# Allegro board GPS_INTERFACE_BOARD_v24_test_SFP_.brd (continued)
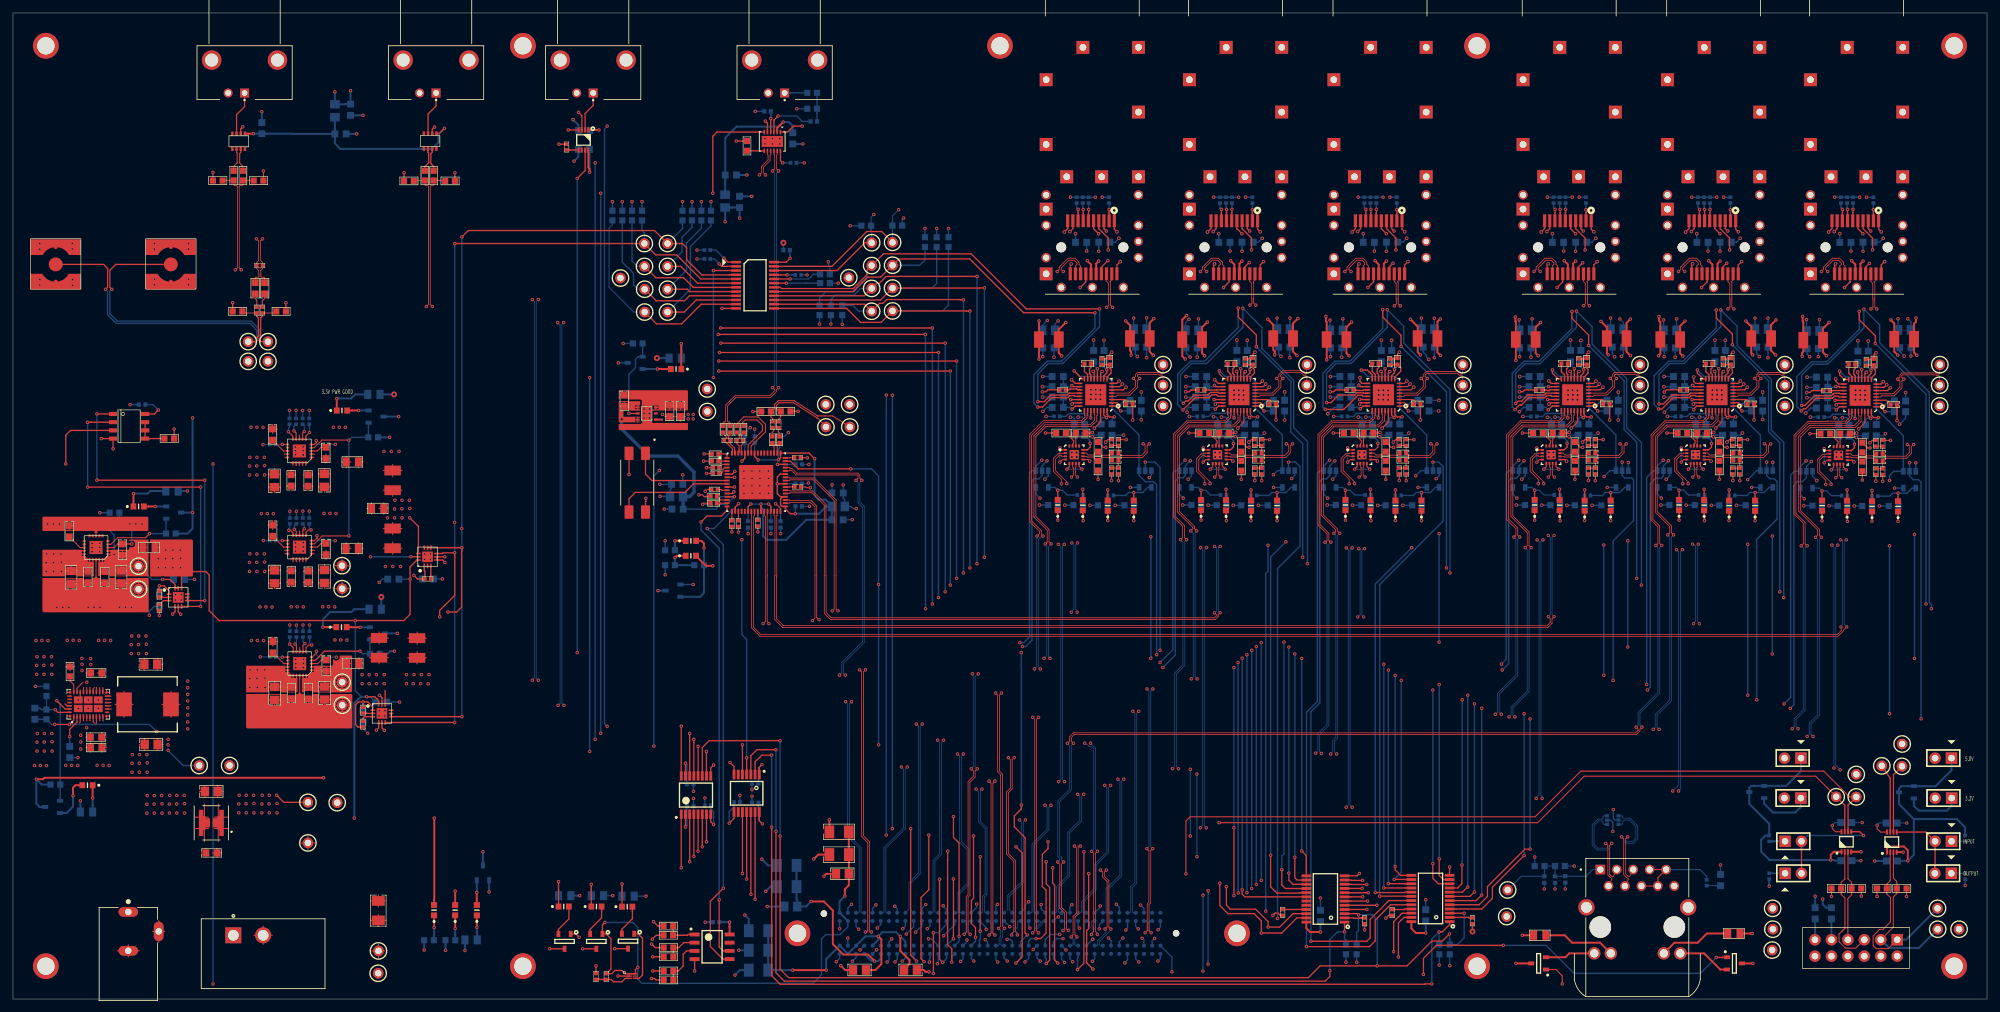
[diagram p0: board, top side]
## Routing (per net, layer and track width the routed paths; a pad name or vN(x,y) marks a point on that pad's centre or on a via; arc(x,y) is an arc through that point) (continued)
FMC.RECOV_CLK_N0: length 203.1
  TOP w0.127: v1(276.11,70.05) 276.43,70.37 276.43,73.54 275.01,74.97 275.01,87.14 277.14,89.27 280.19,89.27 280.23,89.31 283,89.31 283.53,89.84 283.53,90.07 283.44,90.16 U23.25 ; v1(166.54,22.83) 166.85,22.52 166.85,10.45 166.53,10.12 v1(166.53,9.98)
  L5 w0.127: v1(165.47,39.55) 165.79,39.86 165.79,40.19 166.12,40.51 167.92,40.51 168.4,40.03 274.35,40.03 275.01,40.69 275.01,41.49 v1(274.72,41.78)
  BOTTOM w0.127: v1(166.54,22.83) 166.85,23.15 166.85,38.68 166.48,39.06 166.18,39.06 165.89,39.35 165.67,39.35 v1(165.47,39.55) ; v1(166.53,9.98) 166.53,10.12 166.85,10.45 166.85,10.63 166.23,11.25 166.23,11.94 166.1,12.06 J8.G10 ; v1(274.72,41.78) 275.03,42.1 275.03,43.35 276.43,44.74 276.43,69.74 v1(276.11,70.05)
FMC.RECOV_CLK_N1: length 180.6
  TOP w0.127: v1(162.13,10.58) 162.38,10.83 162.38,13.3 161.62,14.06 161.62,20.87 v1(161.31,21.18) ; v1(250.61,42.03) 250.93,41.71 250.93,41.53 250.54,41.15 163.74,41.15 163.14,40.55 163.14,39.83 v1(162.83,39.52) ; U27.25 261.37,90.26 261.46,90.17 261.46,89.94 261.22,89.7 261.22,89.65 260.95,89.37 255.07,89.37 252.93,87.24 252.93,74.03 253.97,72.99 253.97,70.42 v1(253.66,70.1)
  BOTTOM w0.127: J8.G13 162.29,12.06 162.42,11.94 162.42,11.76 162.38,11.72 162.38,10.86 162.13,10.62 v1(162.13,10.58) ; v1(253.66,70.1) 253.97,69.79 253.97,47.36 250.93,44.31 250.93,42.34 v1(250.61,42.03) ; v1(161.31,21.18) 161.62,21.5 161.62,21.75 161.32,22.06 161.32,30.6 163.14,32.42 163.14,39.2 v1(162.83,39.52)
FMC.RECOV_CLK_N2: length 165.3
  TOP w0.127: U31.25 239.07,90.26 239.16,90.17 239.16,89.94 238.92,89.7 238.92,89.65 238.65,89.37 232.76,89.37 230.61,87.21 230.61,74.13 232.05,72.68 232.05,71.72 v1(231.74,71.4) ; v1(157.44,43.54) 157.76,43.22 157.76,10.55 v1(157.44,10.24)
  L5 w0.127: v1(228.88,44.02) 228.88,43.74 228.81,43.66 161.93,43.66 160.96,44.63 158.05,44.63 157.76,44.34 157.76,43.85 v1(157.44,43.54)
  BOTTOM w0.127: J8.G16 158.48,12.06 158.61,11.94 158.61,11.7 157.76,10.85 157.76,10.55 v1(157.44,10.24) ; v1(228.88,44.02) 229.2,44.33 229.2,47.22 232.05,50.08 232.05,71.09 v1(231.74,71.4)
FMC.RECOV_CLK_N3: length 141.7
  TOP w0.127: U35.25 209.86,90.26 209.95,90.17 209.95,89.88 209.44,89.37 203.6,89.37 201.49,87.26 201.49,73.29 202.9,71.88 202.9,70.92 v1(202.58,70.61) ; v1(153.69,37.31) 154,37 154,32.6 153.42,32.02 153.42,22.39 154.53,21.27 154.53,10.42 154.18,10.07 v1(154.18,9.91)
  L5 w0.127: v1(201.12,38.01) 201.18,37.95 201.21,37.95 201.33,37.82 201.33,37.64 201.21,37.52 157.2,37.52 156.49,38.23 154.29,38.23 154,37.94 154,37.63 v1(153.69,37.31)
  BOTTOM w0.127: J8.G19 154.67,12.06 154.8,11.94 154.8,11.15 154.53,10.89 154.53,10.42 154.18,10.07 v1(154.18,9.91) ; v1(201.12,38.01) 201.46,38.3 201.48,38.6 201.48,40.99 202.9,42.41 202.9,70.29 v1(202.58,70.61)
FMC.RECOV_CLK_N4: length 120.9
  TOP w0.127: v1(150.7,33.68) 151.02,33.37 151.02,10.2 v1(150.7,9.88) ; U39.25 187.56,90.26 187.65,90.17 187.65,89.94 187.41,89.7 187.41,89.65 187.13,89.37 181.25,89.37 179.17,87.29 179.17,74.5 180.59,73.08 180.59,71.31 v1(180.28,70.99)
  L5 w0.127: v1(179.03,35.61) 179.35,35.3 179.35,35.12 179.06,34.82 151.52,34.82 151.08,34.38 151.08,33.8 150.96,33.68 v1(150.7,33.68)
  BOTTOM w0.127: v1(180.28,70.99) 180.64,70.63 180.64,51.65 179.35,50.36 179.35,35.93 v1(179.03,35.61) ; J8.G22 150.86,12.06 150.99,11.94 150.99,11.64 151.02,11.61 151.02,10.2 v1(150.7,9.88)
FMC.RECOV_CLK_N5: length 101.7
  TOP w0.127: v1(158.12,71.55) 158.49,71.92 158.49,72.28 157,73.77 157,87.29 159.11,89.41 164.99,89.41 165.52,89.94 165.52,90.17 165.43,90.26 U43.25 ; v1(147.97,35.59) 148.29,35.27 148.29,34.43 147.47,33.62 147.47,16.12 147.19,15.84 147.19,10.32 v1(146.88,10.01)
  L5 w0.127: v1(148.14,50.27) 148.35,50.27 148.84,50.76 149.25,50.76 149.28,50.73 157.59,50.73 157.71,50.85 v1(157.71,51.03)
  BOTTOM w0.127: v1(148.14,50.27) 148.29,50.12 148.29,35.9 v1(147.97,35.59) ; v1(158.12,71.55) 158.12,71.24 158.04,71.16 158.04,51.35 v1(157.71,51.03) ; J8.G25 147.05,12.06 147.18,11.94 147.18,11.64 147.19,11.63 147.19,10.32 v1(146.88,10.01)
FMC.RECOV_CLK_P0: length 202.6
  TOP w0.127: v1(167.45,22.83) 167.13,22.52 167.13,10.45 167.44,10.14 v1(167.44,9.98) ; U23.26 283.94,90.16 283.85,90.07 283.85,89.7 283.13,88.99 277.25,88.99 275.29,87.02 275.29,75.08 276.71,73.66 276.71,70.37 v1(277.02,70.05)
  L5 w0.127: v1(275.63,41.78) 275.29,41.44 275.29,40.57 274.46,39.75 168.29,39.75 167.8,40.23 166.23,40.23 166.07,40.07 166.07,39.86 v1(166.38,39.55)
  BOTTOM w0.127: v1(277.02,70.05) 276.71,69.74 276.71,44.63 275.31,43.23 275.31,42.1 v1(275.63,41.78) ; J8.G9 166.64,12.06 166.51,11.94 166.51,11.37 167.13,10.75 167.13,10.45 167.44,10.14 v1(167.44,9.98) ; v1(167.45,22.83) 167.13,23.15 167.13,38.8 v1(166.38,39.55)
FMC.RECOV_CLK_P1: length 180.7
  TOP w0.127: v1(162.21,21.18) 161.9,20.87 161.9,14.17 162.66,13.41 162.66,10.83 162.87,10.62 v1(162.97,10.62) ; v1(254.57,70.1) 254.25,70.42 254.25,73.1 253.21,74.14 253.21,87.12 255.18,89.09 261.06,89.09 261.78,89.81 261.78,90.17 261.87,90.26 U27.26 ; v1(251.52,42.03) 251.21,41.71 251.21,41.42 250.66,40.87 163.86,40.87 163.42,40.43 163.42,39.83 v1(163.74,39.52)
  BOTTOM w0.127: v1(162.21,21.18) 161.9,21.5 161.9,21.87 161.59,22.17 161.59,30.48 163.42,32.31 163.42,39.2 v1(163.74,39.52) ; v1(162.97,10.62) 162.87,10.62 162.66,10.83 162.66,11.6 162.7,11.64 162.7,11.94 162.83,12.06 J8.G12 ; v1(251.52,42.03) 251.21,42.34 251.21,44.2 254.25,47.24 254.25,69.79 v1(254.57,70.1)
FMC.RECOV_CLK_P2: length 165.7
  TOP w0.127: v1(158.35,10.24) 158.04,10.55 158.04,43.22 v1(158.35,43.54) ; v1(232.65,71.4) 232.33,71.72 232.33,72.8 230.89,74.24 230.89,87.1 232.88,89.09 238.76,89.09 239.48,89.81 239.48,90.17 239.57,90.26 U31.26
  L5 w0.127: v1(229.79,44.02) 229.37,43.6 229.16,43.6 229.09,43.53 229.07,43.53 228.92,43.38 161.81,43.38 160.84,44.35 158.17,44.35 158.04,44.22 158.04,43.85 v1(158.35,43.54)
  BOTTOM w0.127: v1(229.79,44.02) 229.48,44.33 229.48,47.11 232.33,49.96 232.33,71.09 v1(232.65,71.4) ; v1(158.35,10.24) 158.04,10.55 158.04,10.73 158.89,11.58 158.89,11.94 159.02,12.06 159.38,12.06
FMC.RECOV_CLK_P3: length 141.8
  TOP w0.127: U35.26 210.36,90.26 210.27,90.17 210.27,89.81 209.55,89.09 203.72,89.09 201.77,87.14 201.77,73.4 203.17,72 203.17,70.92 v1(203.49,70.61) ; v1(155.09,9.91) 155.09,10.14 154.81,10.42 154.81,21.39 153.7,22.5 153.7,31.9 154.28,32.49 154.28,37 v1(154.59,37.31)
  L5 w0.127: v1(202.03,37.95) 201.83,37.95 201.7,37.82 201.7,37.62 201.32,37.24 157.08,37.24 156.37,37.95 154.41,37.95 154.28,37.82 154.28,37.63 v1(154.59,37.31)
  BOTTOM w0.127: v1(155.09,9.91) 155.09,10.14 154.81,10.42 154.81,10.77 155.08,11.04 155.08,11.94 155.21,12.06 J8.G18 ; v1(203.49,70.61) 203.17,70.29 203.17,42.29 201.75,40.87 201.75,38.59 201.74,38.28 v1(202.03,37.95)
FMC.RECOV_CLK_P4: length 120.7
  TOP w0.127: v1(151.61,9.88) 151.3,10.2 151.3,33.37 v1(151.61,33.68) ; U39.26 188.06,90.26 187.97,90.17 187.97,89.81 187.25,89.09 181.37,89.09 179.45,87.17 179.45,74.61 180.87,73.19 180.87,71.31 v1(181.19,70.99)
  L5 w0.127: v1(151.61,33.68) 151.36,33.93 151.36,34.26 151.64,34.54 179.17,34.54 179.63,35 179.63,35.3 v1(179.94,35.61)
  BOTTOM w0.127: v1(151.61,9.88) 151.3,10.2 151.3,11.73 151.27,11.76 151.27,11.94 151.4,12.06 151.76,12.06 ; v1(179.94,35.61) 179.63,35.93 179.63,50.24 180.92,51.54 180.92,70.73 v1(181.19,70.99)
FMC.RECOV_CLK_P5: length 102.1
  TOP w0.127: v1(159.03,71.55) 158.77,71.81 158.77,72.39 157.28,73.89 157.28,87.12 159.25,89.09 165.13,89.09 165.84,89.81 165.84,90.17 165.93,90.26 U43.26 ; v1(148.88,35.59) 148.56,35.27 148.56,34.32 147.75,33.5 147.75,16 147.47,15.72 147.47,10.32 v1(147.79,10.01)
  L5 w0.127: v1(149.05,50.27) 149.11,50.27 149.29,50.45 157.7,50.45 157.79,50.54 157.92,50.54 158.12,50.74 158.33,50.74 v1(158.62,51.03)
  BOTTOM w0.127: v1(147.79,10.01) 147.47,10.32 147.47,11.75 147.46,11.76 147.46,11.94 147.59,12.06 J8.G24 ; v1(158.62,51.03) 158.32,51.33 158.32,71.04 158.83,71.55 v1(159.03,71.55) ; v1(149.05,50.27) 149,50.27 148.56,49.83 148.56,35.9 v1(148.88,35.59)
FMC.RECOV_DATA_N0: length 219.8
  TOP w0.127: v1(278.32,71.36) 278.64,71.68 278.64,72.48 275.72,75.39 275.72,75.92 275.72,75.93 275.72,76.58 275.72,76.58 275.72,77.65 275.7,77.67 275.7,86.97 277.38,88.65 284.31,88.65 285.03,89.36 285.03,90.19 284.94,90.28 U23.28
  L5 w0.127: v1(145.84,37.87) 146.15,38.19 146.15,38.38 146.66,38.89 276.34,38.89 277.34,39.89 277.34,40.27 v1(277.03,40.59)
  BOTTOM w0.127: v1(277.03,40.59) 277.34,40.9 277.34,42.64 278.64,43.93 278.64,71.05 v1(278.32,71.36) ; v1(145.84,37.87) 146.15,37.56 146.15,24.24 147.32,23.07 147.32,17.85 145.91,16.44 145.91,13.46 145.78,13.34 J8.H26
FMC.RECOV_DATA_N1: length 199.9
  TOP w0.127: U27.28 262.87,90.38 262.95,90.3 262.95,89.47 262.24,88.75 258.94,88.75 258.9,88.71 255.32,88.71 253.59,86.98 253.59,75.22 255.8,73.01 255.8,72.05 v1(255.49,71.73)
  L5 w0.127: v1(253.25,41.68) 253.57,41.37 253.57,41.19 253.12,40.74 169.72,40.74 168.96,41.5 143.81,41.5 143.08,40.77 143.08,40.32 v1(142.77,40.01)
  BOTTOM w0.127: v1(253.25,41.68) 253.57,42 253.57,43.98 255.8,46.22 255.8,71.42 v1(255.49,71.73) ; v1(142.77,40.01) 143.08,39.69 143.08,22.45 142.06,21.43 142.06,13.46 141.94,13.34 141.6,13.34
FMC.RECOV_DATA_N2: length 182
  TOP w0.127: v1(233.49,69.77) 233.81,70.09 233.81,72.07 231.29,74.59 231.29,86.98 233.02,88.71 239.95,88.71 240.32,89.08 240.32,89.13 240.65,89.47 240.65,90.3 240.57,90.38 U31.28
  L5 w0.127: v1(139.49,42.49) 139.8,42.81 139.8,43.05 140.09,43.34 140.8,43.34 140.82,43.31 141,43.31 141.3,43.61 152.82,43.61 153.99,42.44 231.05,42.44 231.3,42.69 231.3,43.31 v1(230.99,43.61)
  BOTTOM w0.127: J8.H32 138.33,13.87 138.33,18 139.8,19.47 139.8,42.18 v1(139.49,42.49) ; v1(230.99,43.61) 231.31,43.93 231.31,45.09 233.81,47.59 233.81,69.46 v1(233.49,69.77)
FMC.RECOV_DATA_N3: length 154.9
  TOP w0.127: v1(203.94,71.98) 204.24,72.28 204.24,72.53 202.06,74.71 202.06,86.96 203.81,88.71 210.74,88.71 211.11,89.08 211.11,89.13 211.44,89.47 211.44,90.3 211.36,90.38 U35.28
  L5 w0.127: v1(203.46,37.87) 203.79,37.54 203.79,37.36 203.29,36.86 176.07,36.86 175.95,36.73 137.78,36.73 137.49,36.44 137.49,36.18 v1(137.18,35.86)
  BOTTOM w0.127: v1(203.94,71.98) 204.26,71.67 204.26,40.47 203.76,39.97 203.76,38.17 v1(203.46,37.87) ; v1(137.18,35.86) 137.49,35.55 137.49,26.43 134.48,23.42 134.48,13.46 134.35,13.34 J8.H35
FMC.RECOV_DATA_N4: length 141.4
  TOP w0.127: v1(181.85,72.36) 182.17,72.68 182.17,72.91 179.83,75.25 179.83,87.03 181.51,88.71 188.44,88.71 188.81,89.08 188.81,89.13 189.14,89.47 189.14,90.3 189.06,90.38 U39.28
  L5 w0.127: v1(181.93,49.48) 182.25,49.16 182.25,47.64 181.16,46.56 130.05,46.56 129.81,46.8 129.17,46.8 128.88,46.51 128.88,46.26 v1(128.56,45.95)
  BOTTOM w0.127: v1(181.85,72.36) 182.25,71.97 182.25,49.79 v1(181.93,49.48) ; v1(128.56,45.95) 128.88,45.63 128.88,25.08 130.67,23.29 130.67,13.46 130.54,13.34 J8.H38
FMC.RECOV_DATA_N5: length 121.3
  TOP w0.127: U43.28 166.93,90.38 167.02,90.3 167.02,89.47 166.3,88.75 159.37,88.75 157.63,87.01 157.63,74.52 157.66,74.5 157.66,74.48 159.69,72.45 159.69,70.63 v1(159.39,70.33) ; v1(131.63,10.36) 131.82,10.36 131.98,10.53 131.98,24.17 131.04,25.11 131.04,50.56 v1(130.72,50.88)
  L5 w0.127: v1(130.72,50.88) 131.04,51.19 131.04,51.58 131.53,52.07 159.36,52.07 159.49,52.2 159.49,52.38 v1(159.21,52.65)
  BOTTOM w0.127: J8.G37 131.81,12.06 131.94,11.94 131.94,11.64 131.98,11.6 131.98,10.53 131.82,10.36 v1(131.63,10.36) ; v1(159.21,52.65) 159.61,53.06 159.61,70.11 v1(159.39,70.33)
FMC.RECOV_DATA_P0: length 219.8
  TOP w0.127: U23.29 285.44,90.16 285.34,90.06 285.34,89.23 284.44,88.33 277.51,88.33 276.02,86.84 276.02,77.67 276,77.65 276,76.46 276,76.46 276,76.04 276,76.04 276,75.51 278.92,72.59 278.92,71.68 v1(279.23,71.36)
  L5 w0.127: v1(146.75,37.87) 146.43,38.19 146.43,38.26 146.78,38.61 276.45,38.61 277.62,39.78 277.62,40.27 v1(277.94,40.59)
  BOTTOM w0.127: v1(277.94,40.59) 277.62,40.9 277.62,42.52 278.92,43.81 278.92,71.05 v1(279.23,71.36) ; J8.H25 146.32,13.34 146.19,13.46 146.19,16.32 147.6,17.73 147.6,23.19 146.43,24.36 146.43,37.56 v1(146.75,37.87)
FMC.RECOV_DATA_P1: length 200
  TOP w0.127: U27.29 263.37,90.26 263.27,90.16 263.27,89.33 262.37,88.43 255.44,88.43 253.87,86.87 253.87,75.34 256.08,73.13 256.08,72.05 v1(256.4,71.73)
  L5 w0.127: v1(254.16,41.68) 253.85,41.37 253.85,41.07 253.24,40.46 169.61,40.46 168.84,41.22 143.93,41.22 143.36,40.66 143.36,40.32 v1(143.68,40.01)
  BOTTOM w0.127: v1(256.4,71.73) 256.08,71.42 256.08,46.1 253.85,43.87 253.85,42 v1(254.16,41.68) ; J8.H28 142.51,13.34 142.34,13.5 142.34,21.31 143.36,22.33 143.36,39.69 v1(143.68,40.01)
FMC.RECOV_DATA_P2: length 182
  TOP w0.127: U31.29 241.07,90.26 240.97,90.16 240.97,89.33 240.07,88.43 233.13,88.43 231.57,86.87 231.57,74.7 234.09,72.19 234.09,70.09 v1(234.4,69.77)
  L5 w0.127: v1(140.4,42.49) 140.08,42.81 140.08,42.94 140.21,43.06 140.68,43.06 140.71,43.04 141.12,43.04 141.42,43.33 152.7,43.33 153.87,42.16 231.17,42.16 231.58,42.58 231.58,43.29 v1(231.9,43.61)
  BOTTOM w0.127: v1(231.9,43.61) 231.59,43.93 231.59,44.97 234.09,47.47 234.09,69.46 v1(234.4,69.77) ; v1(140.4,42.49) 140.08,42.18 140.08,19.35 138.61,17.88 138.61,13.79 J8.H31
FMC.RECOV_DATA_P3: length 154.9
  TOP w0.127: U35.29 211.86,90.26 211.76,90.16 211.76,89.33 210.86,88.43 203.92,88.43 202.34,86.84 202.34,74.83 204.52,72.64 204.52,72.31 v1(204.85,71.98)
  L5 w0.127: v1(138.08,35.86) 137.77,36.18 137.77,36.32 137.9,36.45 176.06,36.45 176.19,36.58 203.4,36.58 204.07,37.24 204.07,37.54 204.09,37.56 204.09,37.59 v1(204.37,37.87)
  BOTTOM w0.127: v1(204.37,37.87) 204.04,38.2 204.04,39.85 204.54,40.35 204.54,71.67 v1(204.85,71.98) ; J8.H34 134.89,13.34 134.76,13.46 134.76,23.3 137.77,26.31 137.77,35.55 v1(138.08,35.86)
FMC.RECOV_DATA_P4: length 141.4
  TOP w0.127: U39.29 189.56,90.26 189.46,90.16 189.46,89.33 188.55,88.43 181.62,88.43 180.11,86.92 180.11,75.36 182.45,73.03 182.45,72.68 v1(182.76,72.36)
  L5 w0.127: v1(182.84,49.48) 182.52,49.16 182.52,47.52 181.28,46.28 129.93,46.28 129.69,46.52 129.29,46.52 129.16,46.39 129.16,46.26 v1(129.47,45.95)
  BOTTOM w0.127: v1(182.84,49.48) 182.52,49.79 182.52,72.13 v1(182.76,72.36) ; J8.H37 131.08,13.34 130.95,13.46 130.95,23.41 129.16,25.2 129.16,45.63 v1(129.47,45.95)
FMC.RECOV_DATA_P5: length 121.2
  TOP w0.127: v1(160.3,70.33) 159.97,70.66 159.97,72.57 157.94,74.6 157.94,86.92 159.48,88.47 166.42,88.47 166.86,88.91 166.91,88.91 167.34,89.33 167.34,90.16 167.43,90.26 U43.29 ; v1(132.54,10.36) 132.42,10.36 132.26,10.53 132.26,24.28 131.32,25.22 131.32,50.56 v1(131.63,50.88)
  L5 w0.127: v1(160.12,52.65) 159.77,52.3 159.77,52.08 159.48,51.79 131.65,51.79 131.32,51.46 131.32,51.19 v1(131.63,50.88)
  BOTTOM w0.127: v1(132.54,10.36) 132.42,10.36 132.26,10.53 132.26,11.72 132.22,11.76 132.22,11.94 132.35,12.06 J8.G36 ; v1(160.3,70.33) 159.89,69.93 159.89,52.88 v1(160.12,52.65)
FMC.SCL0: length 478
  TOP w0.203: v1(106.24,73.72) 107.16,74.65 109.37,74.65 110.26,75.54 IC2.16 ; v1(68.22,116.76) TP45.1 99.24,115.01 102.46,115.01 106.19,111.29 U19.5 ; U13.6 v1(68.2,42.75) ; v1(187.35,17.37) 187.35,14.5 187.96,13.89 191.87,13.89 193.8,11.96 v1(193.8,11.13) 195.58,11.13 197.65,13.19 IC9.22 ; U10.6 66.26,68.85 66.37,68.96 67.94,68.96 67.97,68.99 v1(68.2,68.99) 68.2,68.49 68.21,68.48 68.21,62.4 65.89,60.07 v1(65.89,59.08) ; IC11.22 214.49,13.27 213.18,11.96 v1(213.18,7.32) ; v1(11.53,89.13) 12.03,89.13 12.05,89.15 U46.2 ; v1(11.53,79.12) v1(28.98,79.12) ; v1(109.04,15.34) 109.04,8.05 109.65,7.44 IC3.6 ; U8.6 v1(28.98,60.68)
  L5 w0.203: v1(193.8,11.13) 193.8,8.31 194.79,7.32 v1(213.18,7.32) ; v1(65.89,59.08) 35.18,59.08 33.58,60.68 v1(28.98,60.68) ; v1(106.24,73.72) 68.76,73.72 68.69,73.66 v1(68.2,73.66) ; v1(109.04,15.34) 111.07,17.37 v1(187.35,17.37)
  BOTTOM w0.203: v1(109.04,15.34) 109.04,69.67 106.24,72.48 v1(106.24,73.72) ; R90.2 97.13,118.8 97.49,118.44 TP45.1 ; v1(11.53,89.13) v1(11.53,79.12) ; v1(68.22,116.76) 68.22,116.27 68.2,116.24 v1(68.2,73.66) v1(68.2,68.99) v1(68.2,42.75) ; v1(28.98,60.68) v1(28.98,79.12)
FMC.SCL1: length 367.1
  TOP w0.203: v1(140.87,102.72) v1(108.89,102.72) ; v1(276.17,91.74) 276.67,91.74 278.17,93.24 280.77,93.24 281.06,93.53 281.06,93.53 281.15,93.62 282.03,93.62 282.11,93.54 U23.20 ; J18.5 284.86,119.07 v1(285.64,118.29) ; TP43.1 99.26,111.48 103.56,111.48 105.05,109.99 U19.7
  L5 w0.203: v1(285.78,106.63) 285.78,108.66 287.69,110.57 287.69,116.24 v1(285.64,118.29) ; TP43.1 99.24,111.51 106.58,111.51 107.92,110.16 107.92,103.68 v1(108.89,102.72) ; v1(140.89,60.33) v1(296.21,60.33)
  BOTTOM w0.203: v1(140.87,102.72) 140.87,102.22 140.89,102.2 v1(140.89,60.33) ; v1(296.21,60.33) 296.21,60.97 295.88,61.3 295.88,93.78 288.21,101.45 288.21,104.19 v1(285.78,106.63) 285.78,103.71 285.44,103.37 285.44,103.36 280.19,98.11 277.87,98.11 276.17,96.42 v1(276.17,91.74) ; TP43.1 96.42,113.23 95.58,114.07 R88.2
FMC.SCL2: length 339.3
  TOP w0.203: J19.5 262.79,119.07 v1(263.56,118.29) ; U19.9 104.45,108.69 103.68,107.92 99.31,107.92 TP41.1 ; U27.20 259,93.65 258.89,93.54 258.89,93.54 258.7,93.34 256.18,93.34 254.81,91.97 v1(254.15,91.97) ; v1(142.93,99.92) v1(109.09,99.92)
  L5 w0.203: v1(263.56,118.29) 265.79,116.07 265.79,110.74 263.7,108.66 v1(263.7,106.5) ; v1(109.09,99.92) 106.15,102.87 106.15,106.73 104.95,107.92 99.31,107.92 TP41.1 ; v1(142.9,62.05) v1(273.41,62.05)
  BOTTOM w0.203: v1(142.93,99.92) 142.93,99.43 142.9,99.4 v1(142.9,62.05) ; TP41.1 96.48,109.7 95.81,110.38 95.81,112.17 94.08,113.89 R86.2 ; v1(273.41,62.05) 273.41,86.03 271.48,87.96 271.48,95.76 266.22,101.02 266.22,103.99 v1(263.7,106.5) 263.7,103.91 258.01,98.22 255.8,98.22 254.15,96.57 v1(254.15,91.97)
FMC.SCL3: length 314.5
  TOP w0.203: v1(108.99,97.05) v1(144.73,97.05) ; TP39.1 99.36,104.34 103.23,104.34 106.27,107.39 U19.11 ; v1(232.03,92.05) 232.38,92.4 232.94,92.4 233.88,93.34 236.39,93.34 236.59,93.54 236.59,93.54 236.7,93.65 U31.20 ; J20.5 240.48,119.07 v1(241.26,118.29)
  L5 w0.203: v1(108.99,97.05) 104.55,101.5 104.55,103.3 103.66,104.19 99.52,104.19 TP39.1 ; v1(241.4,106.32) 241.4,108.66 243.31,110.57 243.31,116.24 v1(241.26,118.29) ; v1(144.73,63.98) v1(251.43,63.98)
  BOTTOM w0.17: TP39.1 95.89,106.17 92.05,110.01 92.05,119.14 92.56,119.64 R84.2
  BOTTOM w0.203: v1(232.03,92.05) 232.03,96.75 233.45,98.17 235.76,98.17 241.4,103.81 v1(241.4,106.32) 243.81,103.91 243.81,101.22 249.15,95.89 249.15,88.29 251.43,86 v1(251.43,63.98) ; v1(144.73,97.05) v1(144.73,63.98)
FMC.SCL4: length 239.7
  TOP w0.203: v1(202.82,92.18) 203.5,92.18 204.67,93.34 207.18,93.34 207.53,93.69 208.48,93.69 208.53,93.65 U35.20 ; J21.5 211.27,119.07 v1(212.05,118.29) ; v1(146.76,108.05) 146.27,108.05 146.22,108.1 134.9,108.1 134.32,107.52 133.81,107.52 TP33.1 131.5,107.39 U19.14
  L5 w0.203: v1(212.05,118.29) 214.16,116.19 214.16,110.62 212.19,108.66 v1(212.19,106.53) ; v1(146.76,65.86) v1(221.87,65.86)
  BOTTOM w0.203: TP33.1 130.58,106.3 129.68,107.2 R96.1 ; v1(146.76,108.05) v1(146.76,65.86) ; v1(221.87,65.86) 221.87,94.23 214.73,101.37 214.73,103.99 v1(212.19,106.53) 212.19,103.81 206.6,98.21 204.28,98.21 202.82,96.75 v1(202.82,92.18)
FMC.SCL5: length 222.3
  TOP w0.203: U39.20 186.23,93.65 186.12,93.75 185.98,93.75 185.98,93.76 184.89,93.76 184.48,93.34 182.37,93.34 181.45,92.43 181.07,92.43 v1(180.72,92.08) ; v1(189.75,118.29) 188.97,119.07 J22.5 ; v1(148.84,111.68) 134.82,111.68 133.71,110.57 133.33,110.57 TP31.1 131.45,108.69 U19.16
  L5 w0.203: v1(189.89,106.76) 189.89,108.7 191.95,110.76 191.95,116.09 v1(189.75,118.29) ; v1(148.84,67.28) v1(199.87,67.28)
  BOTTOM w0.203: v1(199.87,67.28) 199.87,86.18 197.74,88.32 197.74,95.63 192.84,100.53 192.84,103.81 v1(189.89,106.76) 189.89,103.81 184.29,98.21 181.98,98.21 180.26,96.49 180.26,92.53 v1(180.72,92.08) ; R98.1 126.29,108.13 126.95,108.79 129.84,108.79 130.89,109.83 TP31.1 ; v1(148.84,111.68) v1(148.84,67.28)
FMC.SCL6: length 110.8
  TOP w0.203: v1(167.63,118.29) 166.85,119.07 J23.5 ; U19.18 118.49,109.99 118.67,109.8 129.72,109.8 131.84,111.93 131.84,112.61 TP34.1 134.39,115.16 147.96,115.16 156.46,106.65 v1(167.77,106.65) ; U43.20 163.06,93.65 162.96,93.54 162.95,93.54 162.76,93.34 160.25,93.34 159.23,92.33 v1(158.24,92.33)
  L5 w0.203: v1(167.77,106.65) 167.77,108.7 170.02,110.96 170.02,115.9 v1(167.63,118.29)
  BOTTOM w0.203: TP34.1 131.84,112.61 131.84,111.57 129.57,109.3 125.5,109.3 124.54,108.33 R100.1 ; v1(158.24,92.33) 158.24,96.6 159.86,98.21 162.08,98.21 167.77,103.91 v1(167.77,106.65)
FMC.SCL_FPGA: length 152.7
  TOP w0.203: TP25.1 131.53,116.89 127.23,112.59 U19.22 ; v1(141.4,25.35) 141.4,16.89 140.21,15.7 140.21,6.25 v1(140.67,5.79)
  L5 w0.17: v1(134.83,25.35) v1(141.4,25.35)
  L5 w0.203: v1(134.85,93.34) 138.89,97.38 138.89,120.5 138.13,121.26 v1(132.92,121.26)
  BOTTOM w0.17: 134.85,90.64 134.83,90.63 ; v1(132.92,121.26) 132.5,120.84 R91.2
  BOTTOM w0.203: R91.2 132.5,118.8 132.59,118.72 TP25.1 ; v1(134.85,93.34) 134.85,90.64 ; 134.83,90.63 v1(134.83,25.35) ; J8.C30 140.34,6.12 v1(140.67,5.79)
FMC.SDA0: length 488.4
  TOP w0.203: IC9.23 198.24,12.54 195.91,10.21 v1(192.75,10.21) 192.75,12.08 191.62,13.21 187.58,13.21 186.33,14.45 v1(186.33,17.91) ; v1(213.92,6.5) 213.92,11.76 214.78,12.62 IC11.23 ; IC2.18 111.51,76.01 v1(112.05,76.56) ; IC3.5 109.63,6.17 107.67,8.13 107.67,15.11 v1(109.68,17.12) ; U13.8 U13.7 68.7,43.65 68.71,43.64 v1(69.32,43.64) ; U8.8 U8.7 v1(29.62,61.58) ; U19.4 110.67,111.94 110.64,111.91 106.36,111.91 104.01,114.26 104.01,116.1 103.35,116.76 TP44.1 99.06,118.77 70.31,118.77 v1(69.32,117.78) ; U10.8 U10.7 68.42,69.75 68.43,69.75 v1(69.32,69.75) 69.32,69.25 69.27,69.2 69.27,60.55 68.53,59.82 v1(67.16,59.82) ; U46.1 v1(12.95,90.42) ; v1(12.95,80.19) v1(29.62,80.19)
  L5 w0.203: v1(192.75,10.21) 192.75,8.14 194.39,6.5 v1(213.92,6.5) ; v1(67.16,59.82) 35.99,59.82 34.23,61.58 v1(29.62,61.58) ; v1(69.29,72.72) v1(107.19,72.72) ; v1(109.68,17.12) 110.46,17.91 v1(186.33,17.91)
  BOTTOM w0.203: R89.2 103.38,119.08 TP44.1 ; v1(112.05,76.56) 108.22,72.72 v1(107.19,72.72) 109.68,70.23 v1(109.68,17.12) ; v1(69.32,43.64) v1(69.32,69.75) 69.32,72.2 69.29,72.22 v1(69.29,72.72) 69.29,73.22 69.32,73.24 v1(69.32,117.78) ; v1(12.95,90.42) v1(12.95,80.19) ; v1(29.62,61.58) v1(29.62,80.19)
FMC.SDA1: length 359.2
  TOP w0.203: v1(285.06,106.28) 285.06,105.78 285.07,105.78 285.07,104.97 287.54,102.5 v1(287.54,101.31) ; TP42.1 103.1,113.23 105.69,110.64 U19.6 ; U23.21 281.96,93.04 281.84,93.17 281.21,93.17 280.92,92.88 280.92,92.88 280.87,92.84 278.41,92.84 276.8,91.23 276.47,91.23 v1(276.12,90.88) ; v1(141.96,103.71) v1(109.27,103.71) ; v1(287.12,115.77) 287.12,117.6 285.66,119.07 J18.4
  L4 w0.17: 285.4,106.28 v1(285.06,106.28)
  L5 w0.203: v1(141.96,61.06) v1(295.38,61.06) ; TP42.1 106.35,113.23 108.36,111.23 108.36,104.62 v1(109.27,103.71) ; v1(285.06,106.28) 285.06,107.76 285.07,107.77 285.07,108.47 287.32,110.72 287.32,115.07 287.12,115.28 v1(287.12,115.77)
  BOTTOM w0.203: TP42.1 103.3,115.47 103.3,117.73 104.85,119.28 R87.2 ; v1(276.12,90.88) 275.44,91.57 275.44,96.22 277.7,98.48 280.04,98.48 285.07,103.51 285.07,105.78 285.06,105.78 v1(285.06,106.28) ; v1(287.54,101.31) 295.38,93.47 v1(295.38,61.06) ; v1(141.96,103.71) v1(141.96,61.06)
FMC.SDA2: length 331
  TOP w0.203: U27.21 259.89,93.15 259.77,93.27 259.14,93.27 259.04,93.17 259.04,93.17 258.85,92.98 258.84,92.98 258.8,92.94 256.35,92.94 254.6,91.19 v1(254.1,91.19) ; TP40.1 104.11,109.7 104.48,109.34 U19.8 ; v1(265.48,101.12) 265.48,102.77 263,105.25 v1(263,106.5) ; v1(265.05,115.77) 265.05,117.6 263.59,119.07 J19.4 ; v1(143.94,101.37) v1(109.3,101.37)
  L5 w0.203: v1(109.3,101.37) 106.86,103.81 106.86,107.85 105,109.7 TP40.1 ; v1(143.94,62.94) v1(272.8,62.94) ; v1(265.05,115.77) 265.4,115.42 265.4,110.87 263,108.47 v1(263,106.5)
  BOTTOM w0.203: v1(254.1,91.19) 253.39,91.9 253.39,96.32 255.65,98.59 257.86,98.59 263,103.72 v1(263,106.5) ; v1(143.94,101.37) v1(143.94,62.94) ; v1(265.48,101.12) 271.07,95.53 271.07,87.71 272.8,85.98 v1(272.8,62.94) ; TP40.1 103.99,112.62 103.99,116.84 106.3,119.15 R85.2
FMC.SDA3: length 305.4
  TOP w0.203: v1(240.7,106.27) 240.7,105.2 243.28,102.62 v1(243.28,101.02) ; U19.10 105.5,108.04 103.63,106.17 TP38.1 ; U31.21 237.59,93.15 237.46,93.27 236.84,93.27 236.74,93.17 236.74,93.17 236.55,92.98 236.54,92.98 236.5,92.94 234.04,92.94 232.91,91.81 232.87,91.81 232.84,91.79 232.61,91.79 v1(231.93,91.11) ; J20.4 241.28,119.07 242.75,117.6 v1(242.75,115.77) ; v1(108.97,98.6) v1(145.69,98.6)
  L5 w0.203: v1(240.7,106.27) 240.7,108.47 242.95,110.72 242.95,115.07 242.75,115.28 v1(242.75,115.77) ; v1(145.69,65.02) v1(250.7,65.02) ; v1(108.97,98.6) 105.44,102.13 105.44,105.18 104.44,106.17 TP38.1
  BOTTOM w0.203: v1(231.93,91.11) 231.5,91.54 231.5,96.75 233.32,98.58 235.66,98.58 240.7,103.62 v1(240.7,106.27) ; v1(250.7,65.02) 250.7,86.08 248.77,88.01 248.77,95.53 v1(243.28,101.02) ; TP38.1 104.6,109.7 104.6,116.31 107.77,119.48 R83.2 ; v1(145.69,98.6) v1(145.69,65.02)
FMC.SDA4: length 250.9
  TOP w0.203: v1(213.54,115.77) 213.54,117.6 212.07,119.07 J21.4 ; v1(211.49,106.55) 211.49,105.4 214.33,102.57 v1(214.33,100.86) ; v1(202.62,91.14) 205.49,91.14 207.33,92.98 207.34,92.98 207.67,93.32 208.28,93.32 208.45,93.15 U35.21 ; v1(147.75,106.32) 147.26,106.32 147.23,106.35 TP32.1 134.04,104.57 130.89,104.57 128.72,106.74 U19.13